# Allegro board REF_038HX-888005K4R-A100.brd (continued)
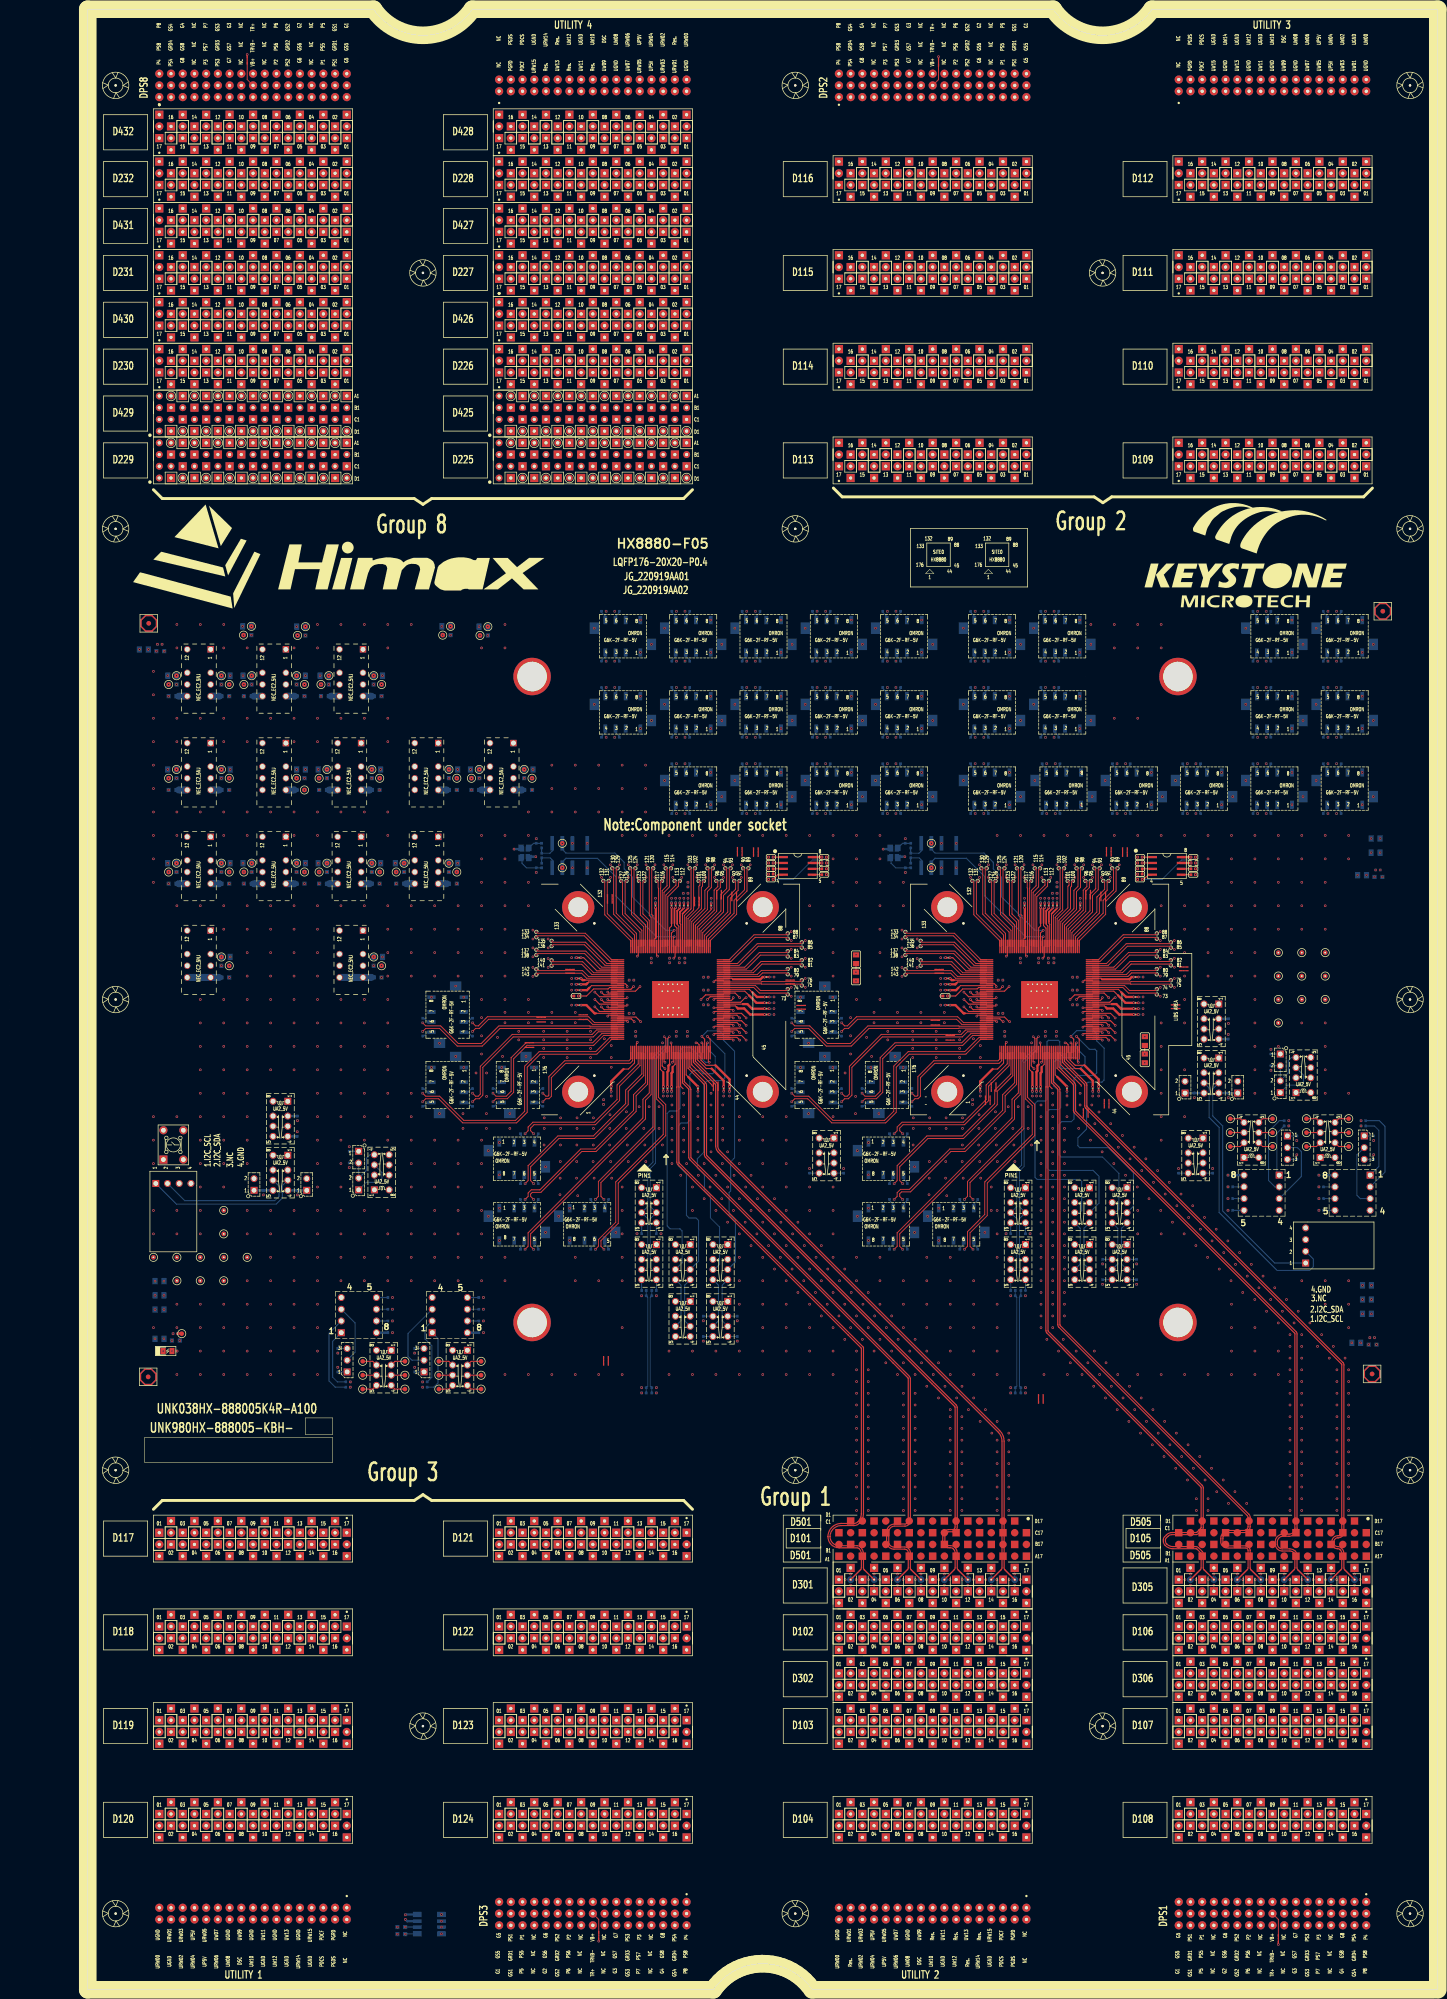
[diagram p0: board, top side]
## Routing (per net, layer and track width the routed paths; a pad name or vN(x,y) marks a point on that pad's centre or on a via; arc(x,y) is an arc through that point) (continued)
  L18_POWER w0.203: 2SH3.1 184.88,210.13 185.3,210.55 188.97,210.55 189.3,210.22 195.95,210.22 v1(197.36,211.63)
  vias: v1(35.55,284.81) v1(35.55,282.9) v1(184.89,217.93) v1(184.89,213.41) v1(204.77,193.71) v1(207.43,236.58) v1(217.85,193.71) v1(228.75,213.91) v1(228.75,211.37) v1(256.47,199.28)
CSDPS429P13: length 31.1
  TOP w0.231: 210.16,197.85 209.72,198.29 SITE2.31
  TOP w0.508: 210.16,197.85 v1(212.26,195.75)
  L16_POWER w0.203: v1(209.97,206.69) 210.93,207.64 214.65,207.64 215.09,207.21 215.09,205.92 215.81,205.2 2SH10.1
  vias: v1(19.24,284.81) v1(19.24,282.9) v1(212.26,193.71)
CSDPS429P15: length 37.1
  TOP w0.231: SITE2.144 187.69,218.83
  TOP w0.508: 187.69,218.83 187.3,218.83 v1(186.93,219.2)
  L11_POWER w0.203: 2SH27.1 194.59,210.54 196.61,212.56 197.68,212.56 198.97,213.85 198.97,217.98 198.75,218.19 198,218.19 v1(197.36,218.83)
  vias: v1(19.24,244.17) v1(19.24,242.26) v1(184.89,219.2)
CSDPS429PS1: length 328.6
  L09_POWER w0.203: 2SH12.2 239.71,220.87 241.08,222.24 241.08,224.35 244.19,227.45 244.19,294.63 230.92,307.9 173.49,307.9 154.83,326.56 154.83,339.95 135.35,359.44 71.44,359.44 61.19,349.18 51.1,349.18 49.82,347.9 49.82,337.49 50.55,336.76 55.09,336.76 CSDPS429.D1
CSDPS429PS5: length 413.4
  L20_SIGNAL w0.203: CSDPS429.D5 44.86,336.69 44.86,310.07 40.88,306.08 40.88,208.94 33.79,201.85 28.14,201.85 25.85,199.57 25.85,145.95 67.2,104.61 152.47,104.61 165.96,118.1 201.73,118.1 206.09,122.46 2SH20.2
CSDPS429PS7: length 262.9
  L11_POWER w0.203: 2SH18.2 220.63,239.75 220.7,239.82 220.7,244.39 219.57,245.51 219.57,279.25 182.34,316.48 172.82,316.48 134.96,354.34 130.07,359.23 86.94,359.23 66.88,339.17 43.25,339.17 41.9,337.82 CSDPS429.D7
CSDPS429PS9: length 499
  L20_SIGNAL w0.203: 2SH22.2 220.35,186.62 220,186.27 220,183 223.43,179.57 223.43,149.33 225.22,147.54 225.22,132.86 223.05,130.69 223.05,127.74 200.61,105.3 155.05,105.3 153.09,103.34 66.67,103.34 23.36,146.66 23.36,173.89 24.18,174.72 24.18,177.25 23.53,177.91 23.53,199.58 27.16,203.22 32.04,203.22 38.78,209.96 38.78,236.74 39.61,237.56 39.61,252.41 38.81,253.2 38.81,256.81 39.61,257.6 39.61,273.56 38.7,274.46 38.7,278.39 39.6,279.29 39.6,296.96 37.13,299.42 37.13,336.52 CSDPS429.D9
CSDPS429PS11: length 380.5
  L18_POWER w0.203: CSDPS429.D11 29.42,336.49 29.42,298.14 25.17,293.89 25.17,279.04 26.34,277.87 26.34,274.26 25.17,273.09 25.17,258.38 26.82,256.73 26.82,254.05 25.2,252.42 25.2,237.77 26.74,236.23 26.74,234.25 25.28,232.8 25.28,218.13 28.46,214.95 28.46,167.93 40.98,155.41 111.5,155.41 114.98,151.93 150,151.93 150.73,152.67 155.42,152.67 157.73,154.97 157.73,157.04 172.48,171.79 172.48,175.14 177.34,180 177.34,198.55 179.67,200.89 179.67,207.45 182.35,210.13 2SH3.2
CSDPS429PS13: length 465.6
  L16_POWER w0.203: CSDPS429.D13 26.84,338.99 28.7,338.99 29.38,339.67 29.38,345.99 28.63,346.74 14.79,346.74 12,343.95 12,324.73 14.78,321.95 14.78,302.91 10.23,298.36 10.23,286.8 13.64,283.4 13.64,172.24 44.97,140.9 86.52,140.9 90.09,137.33 174.06,137.33 196.87,160.14 217.9,160.14 219.36,161.61 219.36,176.71 215.62,180.45 215.62,185.7 215.81,185.89 2SH10.2
CSDPS429PS15: length 446.1
  L11_POWER w0.203: CSDPS429.D15 21.74,338.97 23.72,338.97 24.4,339.65 24.4,345.81 23.56,346.65 9.86,346.65 7.05,343.84 7.05,323.45 13.38,317.12 13.38,304.09 9.39,300.11 9.39,281.67 13.38,277.69 13.38,162.43 34.47,141.33 87.99,141.33 92.22,137.1 157.33,137.1 163.91,143.67 163.91,146.15 165.46,147.7 172.4,147.7 183.02,158.32 183.02,175.19 194.59,186.75 2SH27.2
D10301: length 209.5
  TOP w0.231: v1(141.32,215.03) 140.32,216.03 SITE1.70
  L07_SIGNAL w0.17: D103.01 160.04,58.67 160.04,89.46 164.39,93.82 181.57,93.82 183.35,95.6 183.35,131.83 184.22,132.71 184.22,133.8 183.51,134.51 183.51,136.81 184.31,137.6 184.31,158.19 172.64,169.86 172.64,191.89 160.84,203.7 160.84,206.63 153.8,213.67 150.34,213.67 149.46,214.54 144.79,214.54 144.53,214.28 142.07,214.28 v1(141.32,215.03)
D10302: length 209.8
  TOP w0.231: v1(142.71,215.03) 142.54,215.03 141.54,214.03 SITE1.65
  L07_SIGNAL w0.17: D103.02 160.8,62.99 160.8,88.72 165.07,92.99 182.38,92.99 185.62,96.23 185.62,128.63 184.63,129.62 184.63,131.53 185.51,132.41 185.51,159.72 173.47,171.76 173.47,192.29 161.82,203.94 161.82,206.82 154.14,214.5 150.83,214.5 149.52,215.81 143.5,215.81 v1(142.71,215.03)
D10303: length 215.3
  TOP w0.231: v1(139.92,215.03) 139.92,214.83 139.52,214.43 SITE1.66
  L07_SIGNAL w0.17: D103.03 166.66,54.63 161.83,54.63 159.27,57.18 159.27,90.34 163.77,94.84 180.56,94.84 181.76,96.04 181.76,128.74 181.08,129.43 181.08,131.78 181.98,132.68 181.98,137 183.07,138.09 183.07,155.98 170.71,168.34 170.71,184.22 162.64,192.3 162.64,200.4 159.77,203.26 159.77,206.44 153.43,212.78 149.94,212.78 149.45,213.27 141.68,213.27 v1(139.92,215.03)
D10304: length 123.9
  L05_SIGNAL w0.145: D103.04 169.17,59.7 159.54,59.7 128.09,28.25 85,28.25 70.33,13.59 v1(68.81,13.59)
  BOTTOM w0.231: UB1.6 v1(68.81,13.59)
D10305: length 282.8
  TOP w0.231: SITE1.61 139.72,212.43 v1(139.92,212.23)
  L07_SIGNAL w0.17: D103.05 168.92,51.81 160.74,51.81 158.51,54.03 158.51,91.57 163.08,96.15 176.84,96.15 178.23,97.54 178.23,131.48 177.21,132.5 172.36,132.5 171.39,131.54 171.39,101.62 170.95,101.18 170.25,101.18 169.86,101.57 169.86,158.09 168.33,159.62 168.33,185.34 160.36,193.31 160.36,200.49 158.56,202.29 158.56,206.11 152.66,212 140.15,212 v1(139.92,212.23)
D10306: length 128.6
  L05_SIGNAL w0.145: v1(68.81,12.06) 70.96,12.06 85.63,26.73 128.73,26.73 159.14,57.15 174.26,57.15 D103.06
  BOTTOM w0.231: UB1.5 68.87,12.13 v1(68.81,12.06)
D10307: length 282.8
  TOP w0.231: SITE1.59 141.71,211.63 v1(142.71,210.63)
  L07_SIGNAL w0.17: v1(142.71,210.63) 152.53,210.63 157.52,205.64 157.52,201.95 159.46,200.01 159.46,193.06 167.43,185.09 167.43,159.25 168.18,158.5 168.18,150.26 168.6,149.84 168.6,101.26 169.62,100.24 171.71,100.24 172.41,100.94 172.41,129.67 172.89,130.15 175.56,130.15 176.13,129.58 176.13,98.28 175.01,97.16 162.53,97.16 157.75,92.37 157.75,53.72 160.42,51.05 173.24,51.05 D103.07
D10309: length 282.8
  TOP w0.231: v1(141.32,210.63) 140.72,211.23 SITE1.58
  L07_SIGNAL w0.17: D103.09 177.55,50.29 160.1,50.29 156.99,53.4 156.99,93.34 161.62,97.98 173.57,97.98 175.04,99.44 175.04,126.38 174.63,126.79 173.91,126.79 173.49,126.38 173.49,100.39 172.43,99.32 168.27,99.32 167.23,100.36 167.23,156.94 165.35,158.82 165.35,184.52 158.66,191.21 158.66,199.74 156.33,202.07 156.33,203.92 154.91,205.34 154.91,206.4 152.98,208.34 151.82,208.34 151.46,207.97 146.06,207.97 144.2,209.83 142.11,209.83 v1(141.32,210.63)
D10311: length 215.4
  TOP w0.231: SITE1.55 141.71,210.03 v1(142.71,209.03)
  L07_SIGNAL w0.17: D103.11 181.87,49.52 159.79,49.52 156.23,53.09 156.23,94.28 165.96,104.02 165.96,147.41 166.14,147.59 166.14,151.73 165.54,152.33 165.54,157.47 164.53,158.48 164.53,184.35 157.84,191.04 157.84,199.28 155.09,202.03 155.09,203.84 151.8,207.13 145.54,207.13 143.64,209.03 v1(142.71,209.03)
D10313: length 220.9
  TOP w0.231: v1(141.32,209.03) 140.72,209.63 SITE1.54
  L07_SIGNAL w0.17: D103.13 185.8,48.37 159.35,48.37 155.43,52.28 155.43,95.16 164.67,104.39 164.67,149.59 164.08,150.18 164.08,153.88 162.96,155 162.96,184.92 157.06,190.82 157.06,198.5 154.33,201.24 154.33,203.42 152.82,204.93 146.2,204.93 142.88,208.25 142.09,208.25 v1(141.32,209.03)
D10315: length 282.8
  TOP w0.231: v1(135.72,214.63) 135.92,214.83 SITE1.67
  L03_SIGNAL w0.145: v1(135.72,214.63) 138.34,214.63 138.81,214.15 142.01,214.15 152.49,203.67 152.49,199.29 160.24,191.54 160.24,180.7 K13.3
  L07_SIGNAL w0.17: K13.3 159.95,177.39 159.95,164.55 162.21,162.29 162.21,153.17 162.99,152.4 162.99,147.37 163.48,146.87 163.48,104.75 162.05,103.32 160.36,103.32 159.93,103.76 159.93,125.04 159.63,125.33 158.2,125.33 157.93,125.06 157.93,99.53 154.33,95.93 154.33,52.3 159.03,47.6 194.92,47.6 197.33,50.02 197.33,54.82 D103.15
D10401: length 282.8
  TOP w0.231: v1(135.72,210.23) 135.92,210.43 SITE1.56
  L07_SIGNAL w0.17: v1(135.72,210.23) 136.44,209.5 136.44,200.07 135.69,199.32 135.69,181.78 149.62,167.85 149.62,161.57 149.24,161.19 149.24,157.97 148.04,156.77 148.04,128.72 136.31,116.99 136.31,27.32 137.61,26.03 155.86,26.03 156.65,26.82 156.65,31.68 156.35,31.98 149.61,31.98 149.39,32.2 149.39,33.87 149.74,34.21 156.33,34.21 156.65,34.53 156.65,36.71 156.19,37.17 142.99,37.17 142.35,37.82 142.35,39.21 143.15,40.02 160.65,40.02 161.44,39.23 161.44,35.73 161.61,35.56 D104.01
D10402: length 282.8
  TOP w0.231: v1(135.72,211.83) 135.92,212.03 SITE1.60
  L07_SIGNAL w0.17: v1(135.72,211.83) 137.07,210.48 137.07,199.44 136.38,198.75 136.38,182.06 150.96,167.48 150.96,163.76 150.73,163.53 150.73,156.7 149.2,155.17 149.2,128.36 137.07,116.23 137.07,43.64 138.03,42.69 141.81,42.69 142.56,43.43 142.56,77.28 142.9,77.63 143.55,77.63 143.83,77.35 143.83,42.52 145.45,40.9 162.57,40.9 D104.02
D10403: length 282.8
  TOP w0.231: v1(135.72,207.03) 135.92,207.23 SITE1.48
  L07_SIGNAL w0.17: D104.03 169.14,34.33 169.14,32.3 168.65,31.82 158.78,31.82 158.18,31.22 158.18,28.44 158.71,27.91 180.37,27.91 180.8,27.48 180.8,26.02 180.09,25.3 136.72,25.3 135.55,26.47 135.55,117.75 147.11,129.32 147.11,157.75 148.29,158.92 148.29,167.33 134.41,181.2 134.41,199.5 135.66,200.75 135.66,206.97 v1(135.72,207.03)
D10404: length 282.8
  TOP w0.231: v1(139.92,210.63) 139.72,210.83 SITE1.57
  L07_SIGNAL w0.17: D104.04 166.51,42.04 146.08,42.04 144.8,43.32 144.8,78.12 144.2,78.72 142.37,78.72 141.65,77.99 141.65,46.05 141.08,45.48 138.31,45.48 137.83,45.95 137.83,115.47 150.33,127.97 150.33,154.97 152.2,156.84 152.2,167.21 137.06,182.35 137.06,198.31 137.7,198.95 137.7,208.41 v1(139.92,210.63)
D10405: length 282.8
  TOP w0.231: SITE1.52 135.92,208.83 v1(135.72,208.63)
  L07_SIGNAL w0.17: v1(135.72,208.63) 134.96,207.87 134.96,202.67 133.73,201.44 133.73,180.92 145.09,169.56 145.09,165.12 145.94,164.27 145.94,161.87 145.57,161.5 145.57,129.3 134.79,118.51 134.79,26.15 136.4,24.54 180.57,24.54 181.64,25.61 181.64,27.9 180.79,28.75 161.56,28.75 161.23,29.08 161.23,30.33 161.63,30.74 170.34,30.74 171.15,31.54 171.15,33.72 D104.05
D10406: length 282.8
  TOP w0.231: v1(139.92,209.03) 139.72,209.23 SITE1.53
  L07_SIGNAL w0.17: D104.06 170.6,43.03 146.66,43.03 145.93,43.76 145.93,78.71 144.94,79.71 141.52,79.71 140.6,78.79 140.6,47.95 140.37,47.72 139,47.72 138.6,48.12 138.6,114.7 152.14,128.24 152.14,154.5 153.36,155.73 153.36,164.08 152.97,164.48 152.97,168.98 138.96,182.98 138.96,192.18 139.79,193 139.79,196.03 138.49,197.33 138.49,207.6 v1(139.92,209.03)
D10407: length 254
  TOP w0.231: SITE1.40 133.32,205.03 v1(133.12,205.23)
  L07_SIGNAL w0.17: D104.07 182.55,31.08 182.55,24.67 181.66,23.78 136.08,23.78 134.02,25.84 134.02,119.28 144.77,130.02 144.77,161.76 143.87,162.66 143.87,166.29 142.5,167.65 142.5,171.09 132.98,180.61 132.98,196.23 132.31,196.9 132.31,201.98 133.12,202.78 v1(133.12,205.23)
D10408: length 206.5
  TOP w0.231: v1(139.92,207.43) 139.72,207.63 SITE1.49
  L07_SIGNAL w0.17: D104.08 174.92,43.79 157.45,43.79 146.74,54.5 146.74,121.33 153.06,127.64 153.06,154.03 154.73,155.71 154.73,168.21 139.66,183.27 139.66,191.95 140.44,192.73 140.44,196.3 139.15,197.6 139.15,206.65 v1(139.92,207.43)
D10409: length 265
  L07_SIGNAL w0.17: v1(133.48,213.47) 132.49,212.48 132.49,203.39 131.34,202.24 131.34,180.38 141.78,169.94 141.78,165.97 143.06,164.68 143.06,132.12 133.26,122.32 133.26,25.52 135.77,23.01 185.27,23.01 186.21,23.96 186.21,32.5 D104.09
D10410: length 209.2
  TOP w0.231: v1(139.92,205.83) 139.72,206.03 SITE1.45
  L07_SIGNAL w0.17: D104.10 179.23,44.56 157.77,44.56 147.5,54.82 147.5,120.56 154.56,127.62 154.56,154.02 155.69,155.15 155.69,159.09 155.99,159.39 155.99,163.48 155.45,164.01 155.45,168.51 140.39,183.57 140.39,191.58 141.22,192.41 141.22,196.62 139.92,197.92 v1(139.92,205.83)
D10411: length 282.8
  TOP w0.231: SITE1.69 133.93,215.63 v1(132.92,214.63)
  L07_SIGNAL w0.17: v1(132.92,214.63) 131.23,212.94 131.23,203.11 130.65,202.53 130.65,180.09 140.73,170.01 140.73,165.54 142.34,163.93 142.34,132.92 132.5,123.09 132.5,25.21 135.45,22.25 192.28,22.25 193.48,23.45 193.48,31.61 193.15,31.94 191.1,31.94 188.23,34.81 D104.11
D10412: length 217.8
  TOP w0.231: v1(141.32,205.83) 140.72,206.43 SITE1.46
  L07_SIGNAL w0.17: D104.12 183.55,45.32 158.08,45.32 148.36,55.04 148.36,119.9 155.51,127.05 155.51,152.44 157.26,154.18 157.26,163.61 157.56,163.91 157.56,168.72 153.26,173.01 153.26,196.15 149.75,199.66 144.11,199.66 141.32,202.45 v1(141.32,205.83)
D10413: length 279.1
  L07_SIGNAL w0.17: v1(133.48,216.67) 130.56,213.75 130.56,203.56 129.9,202.89 129.9,179.82 139.34,170.38 139.34,163.86 140.05,163.15 140.05,131.86 131.74,123.55 131.74,24.81 135.12,21.44 193.11,21.44 194.67,23 194.67,34.2 D104.13
D10414: length 224.4
  TOP w0.231: v1(142.71,205.83) 141.71,206.83 SITE1.47
  L07_SIGNAL w0.17: v1(142.71,205.83) 142.71,202.29 144.64,200.36 150.16,200.36 154.04,196.49 154.04,173.34 158.33,169.04 158.33,163.88 159.87,162.34 159.87,158.96 158.31,157.39 158.31,153.08 157.06,151.82 157.06,127.07 149.16,119.17 149.16,55.32 158.4,46.08 187.87,46.08 D104.14
D10415: length 301.3
  TOP w0.231: SITE1.148 113.11,217.23 112.79,216.91 109.65,216.91 108.12,215.39 v1(106.4,215.39)
  L07_SIGNAL w0.17: v1(106.4,215.39) 107.52,215.39 108.78,214.12 108.78,211.91 123.84,196.85 123.84,193.55 125.67,191.72 125.67,177.66 137.34,165.99 137.34,130.85 130.98,124.48 130.98,24.38 134.77,20.59 198.01,20.59 199.86,22.45 199.86,34.09 D104.15
D10416: length 282.8
  TOP w0.231: SITE1.68 134.92,215.23 v1(134.32,214.63)
  L03_SIGNAL w0.145: K13.6 157.02,180.71 157.02,186.68 155.06,188.64 155.06,195.44 151.59,198.92 151.59,203.3 141.63,213.25 138.44,213.25 137.96,213.73 135.22,213.73 v1(134.32,214.63)
  L07_SIGNAL w0.17: K13.6 157.04,177.68 157.04,175.28 159.15,173.17 159.15,164.22 160.69,162.68 160.69,158.21 159.7,157.22 159.7,150.83 161.32,149.21 161.32,145.38 160.8,144.86 160.8,132.41 162.44,130.77 162.44,106.71 162.18,106.45 161.4,106.45 161.17,106.67 161.17,125.71 160.42,126.47 157.98,126.47 156.99,125.48 156.99,100.2 153.51,96.72 153.51,52.05 158.71,46.84 192.19,46.84 D104.16
D10701: length 210.6
  TOP w0.231: SITE2.70 220.32,216.03 v1(221.32,215.03)
  L07_SIGNAL w0.17: D107.01 233.95,58.42 233.95,89.66 238.73,94.45 253.16,94.45 256.15,97.44 256.15,143.2 254.81,144.55 254.81,152.42 256.48,154.09 256.48,160.76 255.45,161.79 255.45,193.79 250.77,198.47 250.77,207.46 246.56,211.67 236.73,211.67 234.74,213.67 230.34,213.67 229.46,214.54 224.79,214.54 224.53,214.28 222.07,214.28 v1(221.32,215.03)
D10702: length 210.2
  TOP w0.231: v1(222.71,215.03) 222.53,215.03 221.53,214.03 SITE2.65
  L07_SIGNAL w0.17: D107.02 234.71,62.74 234.71,88.9 239,93.18 253.74,93.18 257.14,96.59 257.14,144.71 258.35,145.92 258.35,160.79 256.65,162.48 256.65,194.42 251.6,199.47 251.6,207.81 246.9,212.51 237.08,212.51 236.6,212.99 235.08,214.5 230.83,214.5 229.52,215.81 223.5,215.81 v1(222.71,215.03)
D10703: length 215.1
  TOP w0.231: SITE2.66 219.52,214.43 219.92,214.83 v1(219.92,215.03)
  L07_SIGNAL w0.17: D107.03 237.53,51.84 235.27,51.84 233.19,53.92 233.19,90.42 238.47,95.71 252.94,95.71 255.14,97.9 255.14,142.76 253.79,144.11 253.79,147.23 252.06,148.96 252.06,153.13 253.35,154.42 253.35,164.03 249.57,167.81 249.57,187.57 243.96,193.18 243.96,203.65 242.94,204.67 241.54,204.67 233.43,212.78 229.94,212.78 229.45,213.27 221.68,213.27 v1(219.92,215.03)
D10705: length 282.8
  TOP w0.231: SITE2.61 219.72,212.43 v1(219.92,212.23)
  L07_SIGNAL w0.17: v1(219.92,212.23) 220.15,212 232.66,212 241.09,203.57 242.49,203.57 243.18,202.88 243.18,192.3 248.7,186.78 248.7,167.15 250.77,165.08 250.77,155.57 249.51,154.31 249.51,152 246.33,148.81 246.33,141.36 241.83,136.86 241.83,117.74 242.62,116.94 244.08,116.94 244.71,117.58 244.71,137.49 248.71,141.5 248.71,143.86 249.25,144.4 251.76,144.4 252.25,143.9 252.25,140.71 254.34,138.62 254.34,98.45 252.67,96.78 238.02,96.78 232.43,91.19 232.43,53.6 234.95,51.07 241.84,51.07 D107.05
D10707: length 282.8
  TOP w0.231: v1(222.71,210.63) 221.71,211.63 SITE2.59
  L07_SIGNAL w0.17: D107.07 246.16,50.31 234.64,50.31 231.66,53.29 231.66,91.95 237.67,97.96 251.98,97.96 253.13,99.11 253.13,131.68 252.01,132.8 252.01,137.88 251.46,138.42 251.46,141.69 251.25,141.9 249.86,141.9 249.58,141.61 249.58,141.33 245.94,137.69 245.94,116.94 244.9,115.9 242.15,115.9 240.92,117.14 240.92,137.32 245.53,141.93 245.53,149.41 248.74,152.63 248.74,155.05 247.98,155.82 247.98,165.68 246.5,167.15 246.5,187.25 240.52,193.23 240.52,199.82 237.52,202.83 237.52,205.64 232.53,210.63 v1(222.71,210.63)
D10709: length 282.8
  TOP w0.231: v1(221.32,210.63) 220.72,211.23 SITE2.58
  L07_SIGNAL w0.17: v1(221.32,210.63) 222.11,209.83 224.2,209.83 225.67,208.36 232.96,208.36 236.33,204.99 236.33,202.07 239.09,199.31 239.09,192.75 245.6,186.24 245.6,158.75 246.91,157.44 246.91,155.4 244.56,153.05 244.56,142.08 239.97,137.49 239.97,115.46 241.11,114.32 245.95,114.32 246.91,115.27 246.91,136.64 247.76,137.49 249.92,137.49 250.91,136.51 250.91,132.56 252.26,131.21 252.26,100.29 250.91,98.95 237.14,98.95 230.9,92.71 230.9,52.97 234.32,49.55 250.48,49.55 D107.09
D10711: length 218.8
  TOP w0.231: v1(222.71,209.03) 221.71,210.03 SITE2.55
  L07_SIGNAL w0.17: D107.11 254.8,48.79 234.01,48.79 230.14,52.66 230.14,93.47 232.43,95.77 232.43,118.95 235.65,122.17 235.65,134.34 243.29,141.98 243.29,153.37 241.88,154.79 241.88,165.02 244.65,167.79 244.65,185.1 236.74,193.01 236.74,199.05 235.09,200.69 235.09,204.41 231.99,207.52 225.15,207.52 223.64,209.03 v1(222.71,209.03)
D10713: length 226.1
  TOP w0.231: v1(221.32,209.03) 220.72,209.63 SITE2.54
  L07_SIGNAL w0.17: D107.13 259.12,48.03 232.05,48.03 229.38,50.7 229.38,94.23 231.37,96.23 231.37,122.31 232.67,123.61 232.67,126.98 231.74,127.9 231.74,134.43 229.82,136.36 229.82,148.82 234.27,153.27 234.27,158.14 240.38,164.25 240.38,168.34 243.16,171.13 243.16,185.18 235.85,192.49 235.85,198.54 234.33,200.07 234.33,204 233.09,205.23 231.73,205.23 231.43,204.93 226.2,204.93 222.88,208.25 222.09,208.25 v1(221.32,209.03)
D10715: length 282.8
  TOP w0.231: SITE2.67 215.92,214.83 v1(215.72,214.63)
  L03_SIGNAL w0.145: UNK2K13.3 240.24,180.7 240.24,182.18 239.32,183.09 237.42,183.09 234.21,186.31 226.62,186.31 220.57,192.36 220.57,196.49 218.55,198.5 218.55,213.48 217.41,214.63 v1(215.72,214.63)
  L07_SIGNAL w0.17: UNK2K13.3 240.2,177.64 240.2,172.79 237.38,169.96 237.38,165.91 233.4,161.93 233.4,153.63 228.96,149.18 228.96,136 230.88,134.08 230.88,127.54 231.81,126.62 231.81,123.97 230.01,122.17 230.01,120.96 225.88,116.84 225.88,96.13 224.98,95.22 222.67,95.22 221.78,96.11 221.78,111.47 221.31,111.95 220.26,111.95 219.55,111.24 219.55,74.79 228.62,65.72 228.62,50.38 231.73,47.27 263.43,47.27 D107.15
D10801: length 282.8
  TOP w0.231: SITE2.56 215.92,210.43 v1(215.72,210.23)
  L07_SIGNAL w0.17: v1(215.72,210.23) 216.44,209.5 216.44,200.07 215.67,199.3 215.67,189.79 215.67,189.79 215.67,186.02 215.32,185.67 215.32,178.96 218.44,175.84 218.44,144.82 219.95,143.31 219.95,135.28 210.33,125.66 210.33,27.93 212.43,25.83 257.32,25.83 257.85,26.36 257.85,28.23 257.5,28.59 232.01,28.59 231.24,29.36 231.24,37.01 231.92,37.69 234.36,37.69 D108.01
D10802: length 282.8
  TOP w0.231: v1(215.72,211.83) 215.92,212.03 SITE2.60
  L07_SIGNAL w0.17: D108.02 236.57,40.56 230.95,40.56 230.25,39.86 230.25,27.42 229.73,26.9 223.44,26.9 222.35,28 222.35,49.22 221.93,49.63 218.98,49.63 218.55,49.19 218.55,27.56 217.89,26.9 212.89,26.9 211.09,28.69 211.09,122.15 214.26,125.31 220.17,125.31 221.31,126.45 221.31,143.15 219.14,145.31 219.14,176.13 216.02,179.25 216.02,185.38 216.36,185.73 216.36,198.73 217.07,199.44 217.07,210.48 v1(215.72,211.83)
D10803: length 282.8
  TOP w0.231: v1(215.72,207.03) 215.92,207.23 SITE2.48
  L07_SIGNAL w0.17: D108.03 240.18,34.17 232.99,34.17 232.46,33.65 232.46,29.82 232.74,29.54 258.35,29.54 258.9,29 258.9,25.96 257.99,25.05 211.54,25.05 209.57,27.03 209.57,126.27 218.76,135.46 218.76,142.9 216,145.66 216,176.79 213.95,178.84 213.95,187.5 214.29,187.84 214.29,199.38 215.66,200.75 215.66,206.97 v1(215.72,207.03)
D10804: length 282.8
  TOP w0.231: v1(219.92,210.63) 219.72,210.83 SITE2.57
  L07_SIGNAL w0.17: v1(219.92,210.63) 217.7,208.41 217.7,198.95 217.06,198.31 217.06,185.44 216.72,185.1 216.72,179.53 220.6,175.65 220.6,145.61 222.57,143.64 222.57,125.95 220.9,124.28 218.46,124.28 211.85,117.67 211.85,29.47 213.11,28.22 216.95,28.22 217.54,28.8 217.54,49.84 218.07,50.36 222.55,50.36 223.09,49.82 223.09,29.5 224.38,28.22 228.35,28.22 228.92,28.79 228.92,41.14 229.69,41.91 240.3,41.91 D108.04
D10805: length 282.8
  TOP w0.231: SITE2.52 215.92,208.83 v1(215.72,208.63)
  L07_SIGNAL w0.17: v1(215.72,208.63) 214.99,207.9 214.99,202.63 213.59,201.24 213.59,188.13 213.25,187.79 213.25,178.55 215.08,176.72 215.08,144.33 217.44,141.97 217.44,139.52 208.81,130.89 208.81,26.71 211.23,24.29 259.17,24.29 259.91,25.03 259.91,29.33 258.88,30.37 237.32,30.37 236.98,30.7 236.98,31.47 237.51,32 243.09,32 D108.05
D10806: length 282.8
  TOP w0.231: SITE2.53 219.72,209.23 v1(219.92,209.03)
  L07_SIGNAL w0.17: D108.06 244.6,42.69 229,42.69 227.72,41.41 227.72,29.78 227.19,29.26 224.79,29.26 223.92,30.14 223.92,50.48 223.32,51.08 217.44,51.08 216.58,50.21 216.58,29.74 216.1,29.26 213.63,29.26 212.84,30.04 212.84,113.94 223.74,124.84 223.74,132.14 223.93,132.33 223.93,135.27 223.31,135.89 223.31,174.88 218.31,179.87 218.31,186.23 219.81,187.73 219.81,196.01 218.49,197.33 218.49,207.6 v1(219.92,209.03)
D10807: length 255.8
  TOP w0.231: SITE2.40 213.32,205.03 v1(213.12,205.23)
  L07_SIGNAL w0.17: v1(213.12,205.23) 213.12,202.29 212.62,201.78 212.62,196.6 212.88,196.33 212.88,188.42 212.54,188.08 212.54,145.87 213.28,145.13 213.28,137.11 208.04,131.88 208.04,26.4 210.91,23.53 260.04,23.53 260.78,24.26 260.78,30.83 257.28,34.33 252.96,34.33 D108.07
D10808: length 208
  TOP w0.231: v1(219.92,207.43) 219.72,207.63 SITE2.49
  L07_SIGNAL w0.17: D108.08 248.91,43.46 229.76,43.46 224.81,48.41 224.81,61.19 214.02,71.98 214.02,113.77 224.51,124.26 224.51,127.11 225.09,127.7 225.09,130.91 224.81,131.19 224.81,135.39 224.02,136.19 224.02,175.17 219.02,180.17 219.02,185.94 220.52,187.43 220.52,196.23 219.15,197.6 219.15,206.65 v1(219.92,207.43)
D10809: length 262.1
  L07_SIGNAL w0.17: v1(213.48,213.47) 212.49,212.47 212.49,204.43 210.86,202.81 210.86,145.36 212.13,144.09 212.13,137.11 207.28,132.27 207.28,26.08 210.6,22.77 261.34,22.77 261.97,23.4 261.97,31.16 257.57,35.56 D108.09
D10810: length 210.2
  TOP w0.231: v1(219.92,205.83) 219.72,206.03 SITE2.45
  L07_SIGNAL w0.17: D108.10 253.23,44.22 230.47,44.22 225.57,49.12 225.57,61.77 215.14,72.2 215.14,113.83 225.48,124.17 225.48,126.7 226.4,127.62 226.4,131.5 225.57,132.33 225.57,151.38 226.33,152.15 226.33,177.29 222.52,181.1 222.52,185.67 223.28,186.44 223.28,188.72 221.22,190.79 221.22,196.62 219.92,197.92 v1(219.92,205.83)
D10811: length 282.8
  TOP w0.231: SITE2.69 213.93,215.63 v1(212.92,214.63)
  L07_SIGNAL w0.17: D108.11 261.89,34.91 264.91,31.9 270.09,31.9 271.76,30.23 271.76,24.63 269.14,22.01 210.28,22.01 206.52,25.77 206.52,138.36 210.18,142.03 210.18,202.95 211.23,204 211.23,212.94 v1(212.92,214.63)
D10812: length 221.6
  TOP w0.231: SITE2.46 220.72,206.43 v1(221.32,205.83)
  L07_SIGNAL w0.17: D108.12 257.55,44.98 230.78,44.98 226.33,49.43 226.33,62.6 216.05,72.88 216.05,112.12 226.3,122.38 226.3,126.24 227.09,127.03 227.09,132.33 226.49,132.93 226.49,150.65 228.51,152.67 228.51,176.08 231.87,179.45 231.87,196.97 229.19,199.66 224.11,199.66 221.32,202.45 v1(221.32,205.83)
D10813: length 278.8
  L07_SIGNAL w0.17: D108.13 267.8,35.56 272.64,30.72 272.64,24.16 269.7,21.21 209.84,21.21 205.53,25.52 205.53,139.8 208.37,142.64 208.37,202.55 210.65,204.83 210.65,213.84 v1(213.48,216.67)
D10814: length 228.8
  TOP w0.231: SITE2.47 221.71,206.83 v1(222.71,205.83)
  L07_SIGNAL w0.17: D108.14 261.87,45.74 231.1,45.74 227.09,49.75 227.09,63.7 217.25,73.54 217.25,112.27 227.47,122.49 227.47,124.68 229.13,126.34 229.13,133.63 227.39,135.38 227.39,150.22 229.43,152.26 229.43,168.83 231.64,171.04 231.64,175.95 233.37,177.67 233.37,197.75 229.44,201.68 223.32,201.68 222.71,202.29 v1(222.71,205.83)
D10815: length 294
  TOP w0.231: v1(186.4,215.39) 188.12,215.39 189.65,216.91 192.79,216.91 193.11,217.23 SITE2.148
  L07_SIGNAL w0.17: v1(186.4,215.39) 188.06,213.73 188.06,211.31 195.07,204.3 195.07,199.16 207.6,186.63 207.6,142.96 204.75,140.12 204.75,25.2 209.52,20.44 270.48,20.44 273.55,23.5 273.55,34.06 D108.15
D10816: length 282.8
  TOP w0.231: SITE2.68 214.92,215.23 v1(214.32,214.63)
  L03_SIGNAL w0.145: UNK2K13.6 234.99,182.74 227.8,182.74 216.97,193.57 216.97,212.84 216.09,213.73 215.22,213.73 v1(214.32,214.63)
  L07_SIGNAL w0.17: D108.16 266.19,46.5 231.41,46.5 227.85,50.06 227.85,64.62 218.54,73.93 218.54,112.24 219.6,113.3 221.92,113.3 222.72,112.5 222.72,98.3 223.08,97.93 224.59,97.93 225,98.35 225,118.7 228.83,122.53 228.83,124.89 229.95,126 229.95,133.97 228.21,135.71 228.21,149.88 230.25,151.93 230.25,168.49 232.46,170.7 232.46,175.61 236.04,179.19 UNK2K13.6
